# Altium PCB ProbadorDeCables.PcbDoc (continued)
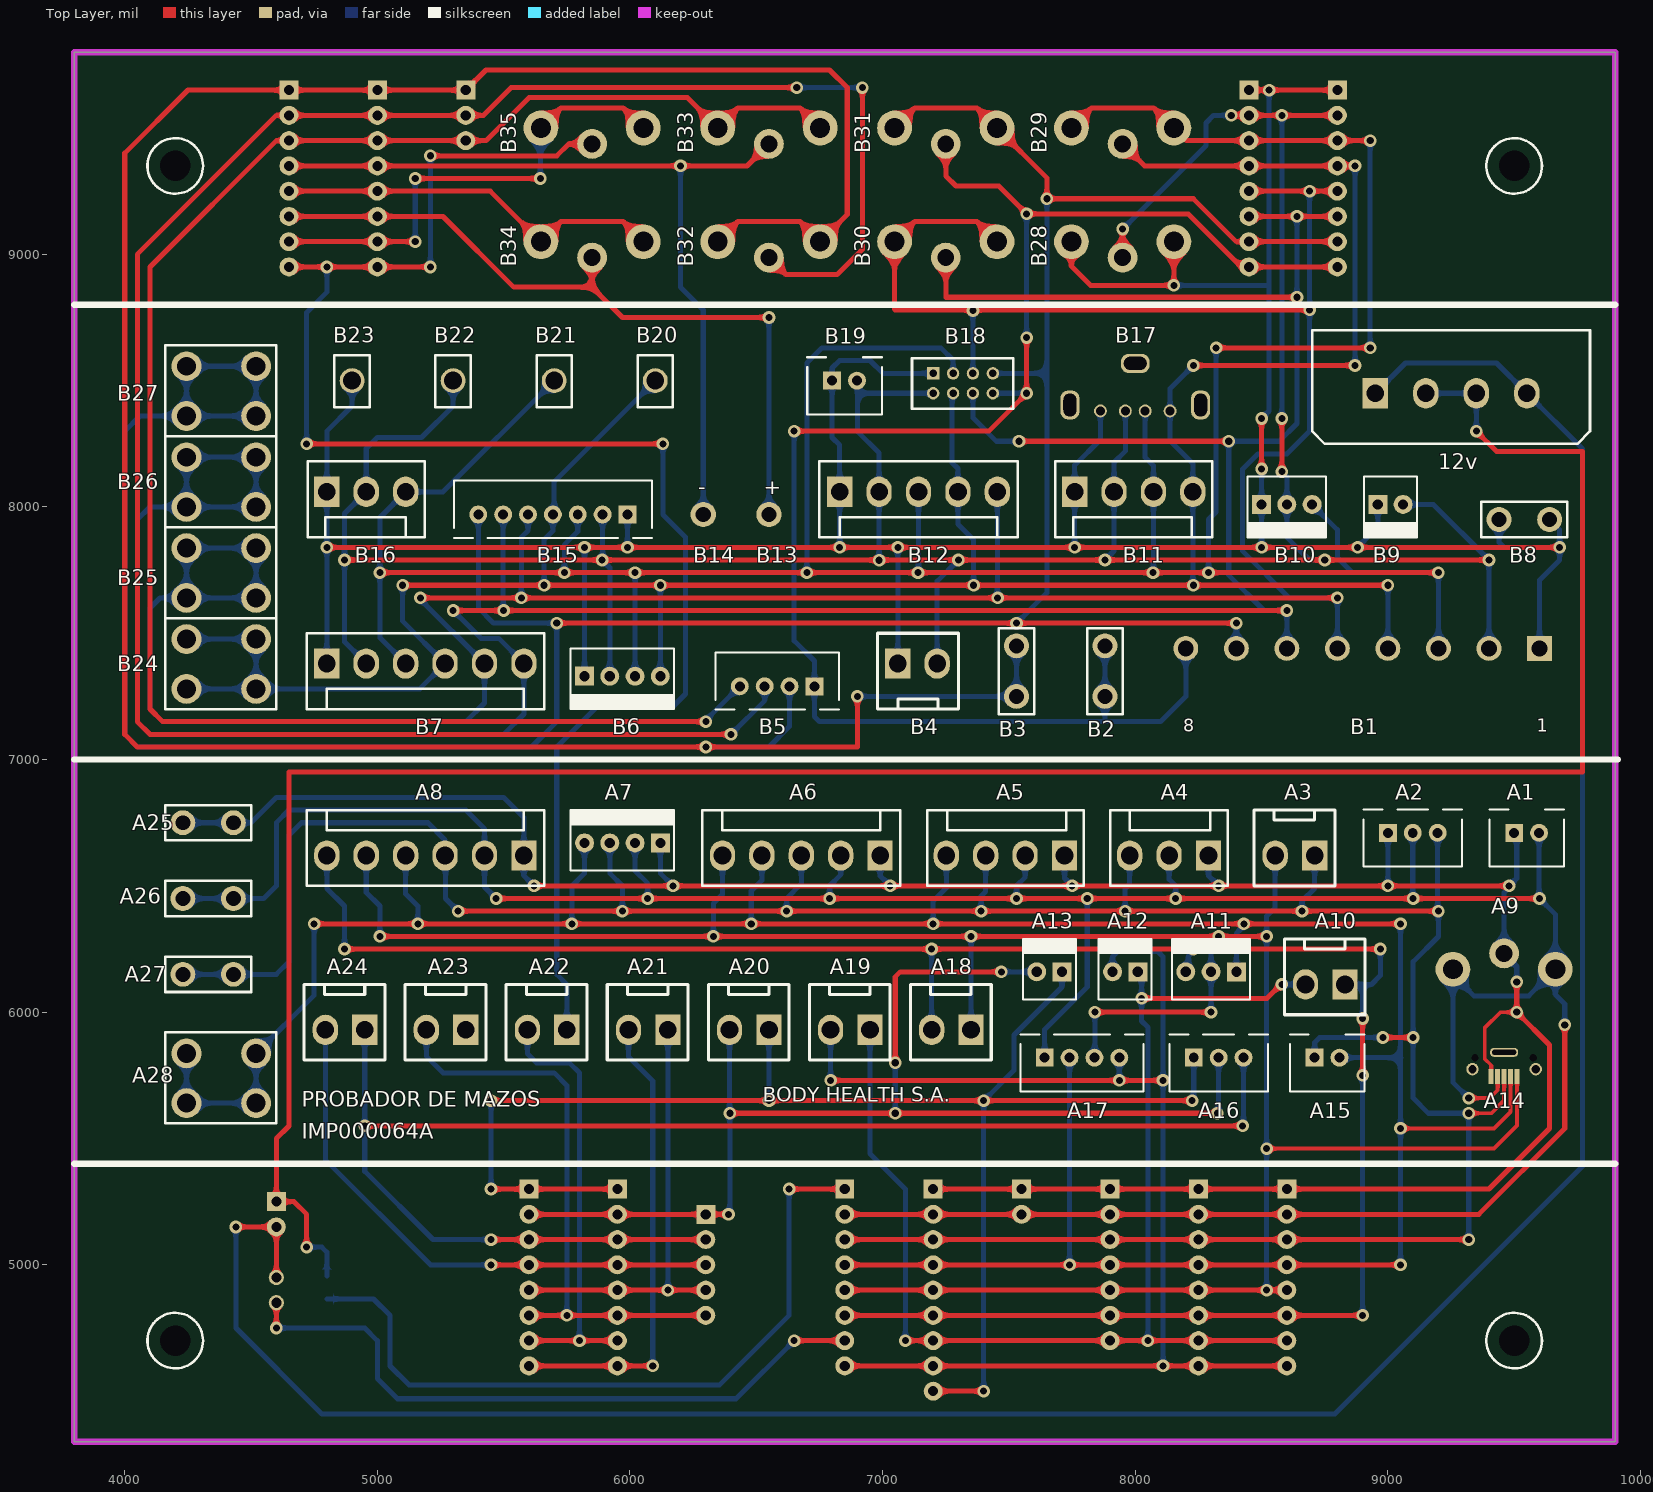
[diagram p0: Top Layer view]
## Components (designator, comment, footprint, x,y, rotation, side; value= is the part's Value field where it differs from the comment) (continued)
B28 "RCA mono para placa - Blanco" RCJ-023 7950,9050 r180 top
B29 "RCA mono para placa - Rojo" RCJ-022 7950,9500 r180 top
B30 "RCA mono para placa - Azul" RCJ-025 7250,9050 r180 top
B31 "RCA mono para placa - Negro" RCJ-021 7250,9500 r180 top
B32 "RCA mono para placa - Blanco" RCJ-023 6550,9050 r180 top
B33 "RCA mono para placa - Rojo" RCJ-022 6550,9500 r180 top
B34 "RCA mono para placa - Azul" RCJ-025 5850,9050 r180 top
B35 "RCA mono para placa - Negro" RCJ-021 5850,9500 r180 top
B50 "Interlock 3 vias gabinete" 640456-3 5350,9650 r270 bottom
B_Laser_1 "ProbadorB_1-8" 640456-8 8450,9650 r270 bottom
B_Laser_2 "ProbadorB_9-16" 640456-8 5000,9650 r270 bottom
B_Probador_1 "LaserB_1-8" 640456-8 8800,9650 r270 bottom
B_Probador_2 "LaserB_9-16" 640456-8 4650,9650 r270 bottom
Ld1 "PinesParaLed" Jumper-Simple 4600,4950 r270 bottom
R1 "330" R_0805 4800,4910 r270 bottom

## Footprints (in the part's own frame and the unit in brackets; to place one, negate y for a bottom-side part, rotate by r counter-clockwise, add the part's x,y. Pads: shape width x height; smd on the part's side, far side on the other; paste and mask are expansions set on the pad)
640445-2 [mil] "Con,0.156,2 vias recto"
  rect 100x120 hole 70: 1(0,0)
  oval 100x120 hole 70: 2(156,0)
  silkscreen extent -80,-180 240,120, body extent -78,-181 234,119, height 526
640445-3 [mil] "Conector - paso 156 - 3 vias - recto"
  rect 100x120 hole 70: 1(0,0)
  oval 100x120 hole 70: 2(156,0) 3(312,0)
  silkscreen extent -76,-180 388,120, body extent -78,-180 390,120, height 525
640445-4 [mil] "Conector - paso 156 - 4 vias - recto"
  rect 100x120 hole 70: 1(0,0)
  oval 100x120 hole 70: 2(156,0) 3(312,0) 4(468,0)
  silkscreen extent -76,-180 544,120, body extent -78,-179 546,121, height 526
640445-5 [mil] "Conector - paso 156 - 5 vias - recto"
  rect 100x120 hole 70: 1(0,0)
  oval 100x120 hole 70: 2(156,0) 3(312,0) 4(468,0) 5(624,0)
  silkscreen extent -80,-180 704,120, body extent -78,-180 702,121, height 526
640445-6 [mil] "Conector - paso 156 - 6 vias - recto"
  rect 100x120 hole 70: 1(0,0)
  oval 100x120 hole 70: 2(156,0) 3(312,0) 4(468,0) 5(624,0) 6(780,0)
  silkscreen extent -80,-180 860,120, body extent -78,-179 858,121, height 526
640456-2 [mil] "Paso 100 2 vias"
  rect 75x75 hole 40: 1(0,0)
  round 75 hole 40: 2(100,0)
  silkscreen extent -55,-130 155,110, body extent -50,-125 150,105, height 396
640456-3 [mil] "Paso 100 3 vias"
  rect 75x75 hole 40: 1(0,0)
  round 75 hole 40: 2(100,0) 3(200,0)
  silkscreen extent -55,-130 255,110, body extent -50,-125 250,105, height 396
640456-4 [mil] "Paso 100 4 vias"
  rect 75x75 hole 40: 1(0,0)
  round 75 hole 40: 2(100,0) 3(200,0) 4(300,0)
  silkscreen extent -55,-130 355,110, body extent -50,-125 350,105, height 396
640456-5 [mil] "Paso 100 5 vias"
  rect 75x75 hole 40: 1(0,0)
  round 75 hole 40: 2(100,0) 3(200,0) 4(300,0) 5(400,0)
  silkscreen extent -55,-130 460,110, body extent -50,-125 450,105, height 396
640456-7 [mil] "Paso 100 7 vias"
  rect 75x75 hole 40: 1(0,0)
  round 75 hole 40: 2(100,0) 3(200,0) 4(300,0) 5(400,0) 6(500,0) 7(600,0)
  silkscreen extent -55,-130 655,110, body extent -50,-125 650,105, height 396
640456-8 [mil] "Paso 100 8 vias"
  rect 75x75 hole 40: 1(0,0)
  round 75 hole 40: 2(100,0) 3(200,0) 4(300,0) 5(400,0) 6(500,0) 7(600,0) 8(700,0)
  silkscreen extent -55,-130 755,110, body extent -50,-125 750,105, height 396
640456-9 [mil] "Paso 100 9 vias"
  rect 75x75 hole 40: 1(0,0)
  round 75 hole 40: 2(100,0) 3(200,0) 4(300,0) 5(400,0) 6(500,0) 7(600,0) 8(700,0) 9(800,0)
  silkscreen extent -55,-130 855,110, body extent -50,-125 850,105, height 396
794285-1 [mil] "4 Position Header Connector 0.200\" (5.08mm) Through Hole Tin"
  oval 100x120 hole 70: 1(600,0) 2(400,0) 3(200,0)
  rect 100x120 hole 70: 4(0,0)
  silkscreen extent -250,-200 850,250, body extent -201,-163 799,217, height 472
B2B-XH-A [mm] "CONN HEADER XH TOP 2POS 2.5MM"
  rect 1.8x1.8 hole 1: 1(0,0)
  round 1.8 hole 1: 2(2.5,0)
  silkscreen extent -2.5,-3.4 5,2.35, body extent -2.47,-3.3 4.93,2.45, height 7
B3B-XH-A [mm] "CONN HEADER XH TOP 3POS 2.5MM"
  rect 1.8x1.8 hole 1: 1(0,0)
  round 1.8 hole 1: 2(2.5,0) 3(5,0)
  silkscreen extent -2.45,-3.4 7.45,2.35, body extent -2.45,-3.4 7.45,2.35, height 7
B4B-XH-A [mm] "CONN HEADER XH TOP 4POS 2.5MM"
  rect 1.8x1.8 hole 1: 1(0,0)
  round 1.8 hole 1: 2(2.5,0) 3(5,0) 4(7.5,0)
  silkscreen extent -2.45,-3.4 9.95,2.35, body extent -2.45,-3.4 9.95,2.35, height 7
B7B-XH-A [mm] "CONN HEADER XH TOP 7POS 2.5MM"
  rect 1.8x1.8 hole 1: 1(0,0)
  round 1.8 hole 1: 2(2.5,0) 3(5,0) 4(7.5,0) 5(10,0) 6(12.5,0) 7(15,0)
  silkscreen extent -2.45,-3.4 17.45,2.35, body extent -2.45,-3.38 17.49,2.38, height 7
"BORNERA CON TORNILLOS 8 VíAS" [mm] "TERMINAL BLOCK SCREW TYPE 5.08"
  rect 2.5x2.5 hole 1.6: 1(0,0)
  round 2.5 hole 1.6: 2(5.08,0) 3(10.16,0) 4(15.24,0) 5(20.32,0) 6(25.4,0) 7(30.48,0) 8(35.56,0)
  body extent -3.05,-6.25 38.09,6.25, height 15.5
DF11-8DP-2DSA(01) [mm] "Fuente MSP-300-15"
  rect 1.25x1.25 hole 0.75: 1(6,0)
  round 1.25 hole 0.75: 2(6,2) 3(4,0) 4(4,2) 5(2,0) 6(2,2) 7(0,0) 8(0,2)
  silkscreen extent -2.03,-1.52 8.13,3.56, body extent -2,-1.5 8,3.5, height 8.2
Jumper-Simple [mil] "Pines para jumper de 0.1\" de separación"
  round 60 hole 40: 1(0,0) 2(100,0)
  silkscreen extent -50,-50 150,50, body extent -49,-51 151,49, height 352
"PALA MACHO 2.7 PARA PLACA" [mm] "CONN QC TAB 0.110 SOLDER"
  round 2.5 hole 1.8: 1(0,0)
  Top Overlay keep-out lines w0.254: -1.778,-2.667 -1.778,2.54 1.778,2.54 1.778,-2.667 0.889,-2.667 -0.889,-2.667 -1.778,-2.667
  silkscreen extent -1.78,-2.67 1.78,2.54, body extent -0.32,-2.16 0.32,2.14, height 8.6
"Pala macho 4.8 para placa" [mm] "CONN QC TAB 0.187 SOLDER"
  round 2.5 hole 1.5: 1(0,2.54) 1(0,-2.54)
  Top Overlay keep-out lines w0.254: 1.778,4.318 -1.778,4.318 -1.778,-4.318 1.778,-4.318 1.778,4.318
  silkscreen extent -1.78,-4.32 1.78,4.32, body extent -0.42,-3.96 0.38,3.96, height 16.2
"PALA MACHO 6.3 PARA PLACA" [mm] "CONN QC TAB 0.250 SOLDER"
  round 2.5 hole 1.5: 1(0,2.54) 1(0,-2.54)
  Top Overlay keep-out lines w0.254: -1.778,4.318 -1.778,-4.318 1.778,-4.318 1.778,4.318 -1.778,4.318
  silkscreen extent -1.78,-4.32 1.78,4.32, body extent -0.42,-3.96 0.38,3.96, height 16.2
"PIN MACHO PARA CRIO" [mil] "CONN PC PIN CIRC 0.058DIA TIN"
  round 100 hole 60: 1(0,0)
  body extent -55,-55 55,55, height 202
R_0805 [mil] "Chip Resistor; Body 2.0 x 1.2 mm (LxW typ)"
  rect 56x50 smd: 1(45,0) 2(-45,0)
  silkscreen extent -60,-40 60,40, body extent -39,-25 39,25, height 18
RCJ-021 [mm] "CONN RCA JACK MONO 3.2MM PCB"
  round 3.5 hole 2: 1(-5.15,0) 1(5.15,0)
  round 3 hole 1.7: 2(0,1.6)
  body extent -6.48,-5 6.47,5, height 16.1
RCJ-022 [mm] "CONN RCA JACK MONO 3.2MM PCB"
  round 3.5 hole 2: 1(-5.15,0) 1(5.15,0)
  round 3 hole 1.7: 2(0,1.6)
  body extent -6.48,-5 6.47,5, height 16.1
RCJ-023 [mm] "CONN RCA JACK MONO 3.2MM PCB"
  round 3.5 hole 2: 1(-5.15,0) 1(5.15,0)
  round 3 hole 1.7: 2(0,1.6)
  body extent -6.48,-5 6.47,5, height 16.1
RCJ-025 [mm] "CONN RCA JACK MONO 3.2MM PCB"
  round 3.5 hole 2: 1(-5.15,0) 1(5.15,0)
  round 3 hole 1.7: 2(0,1.6)
  body extent -6.48,-5 6.47,5, height 16.1
"SCREW M4 4 PIN PCB" [mm] "TERM SCREW M4 4 PIN PCB"
  round 3 hole 1.9: 1(0,7) 1(0,0) 1(5,7) 1(5,0)
  Top Overlay keep-out lines w0.254: -2.032,9.144 -2.032,-2.032 7.112,-2.032 7.112,9.144 -2.032,9.144
  silkscreen extent -2.03,-2.03 7.11,9.14, body extent -1.42,-1.27 6.58,8.04, height 8.86
USB2.0_A [mm] "1050570001"
  round 1.3 hole 0.9 mask+0: 1(-3.5,0) 2(-1,0) 3(1,0) 4(3.5,0)
  rrect80% 1.9x2.9 hole 1.3 slot 2.3 at 90 deg: ""(-6.57,0.6) ""(6.57,0.6)
  rrect80% 2.9x1.9 hole 1.3 slot 2.3 at 0 deg: ""(0,4.78)
  body extent -7.39,-1.75 7.29,5.54, height 10.5
USB2.0_MicroB [mm] "USB3160-30-0170-0-C"
  rect 0.5x1.5 smd mask+0: 1(-1.3,-1.4) 2(-0.65,-1.4) 3(0,-1.4) 4(0.65,-1.4) 5(1.3,-1.4)
  round 1.25 hole 0.85 mask+0.05: ""(-3.18,-0.65) ""(3.18,-0.65)
  round 0 hole 0.75 mask+0.05: ""(-2.925,0.5) ""(2.925,0.5)
  rrect80% 2.8x0.9 hole 0.5 slot 2.4 at 0 deg: ""(0,1.05)
  body extent -3.72,-1.57 3.78,1.43, height 5.3

## Part data
12v: library part 794285-1, "CONN HDR 4POS 0.2 TIN PCB", Cod.DigiKey=794285-1-ND, Cod.Fabricante=794285-1, ComponentLink2Description=Datasheet, ComponentLink2URL=https://www.te.com/commerce/DocumentDelivery/DDEController?Action=srchrtrv&DocNm=794285&DocType=Customer+Drawing&DocLang=English, DIGIKEYx100=1.68330, Fabricante="TE Connectivity AMP Connectors"
A1 A15 B19: "CONN HEADER XH TOP 2POS 2.5MM", Cod.DigiKey=455-2247-ND, Cod.Fabricante=B2B-XH-A(LF)(SN), ComponentLink2Description=Datasheet, ComponentLink2URL=http://www.jst-mfg.com/product/pdf/eng/eXH.pdf, DIGIKEYx50=0.08980, Fabricante="JST Sales America Inc.", LatestRevisionDate=17-Jul-2002, LatestRevisionNote="Re-released for DXP Platform.", Publisher="Altium Limited"
A2 A16: "CONN HEADER XH TOP 3POS 2.5MM", Cod.DigiKey=455-2248-ND, Cod.Fabricante=B3B-XH-A(LF)(SN), ComponentLink2Description=Datasheet, ComponentLink2URL=http://www.jst-mfg.com/product/pdf/eng/eXH.pdf, DIGIKEYx50=0.11540, Fabricante="JST Sales America Inc.", LatestRevisionDate=17-Jul-2002, LatestRevisionNote="Re-released for DXP Platform.", Publisher="Altium Limited"
A3 A10 A18 A19 A20 A21 A22 A23 A24 B4: "CONN HEADER VERT 2POS .156 TIN", Cod.DigiKey=A1971-ND, Cod.Fabricante=640445-2, ComponentLink2Description=Datasheet, ComponentLink2URL=https://www.te.com/commerce/DocumentDelivery/DDEController?Action=srchrtrv&DocNm=640445&DocType=Customer+Drawing&DocLang=English, DIGIKEYx100=0.07960, Fabricante="TE Connectivity AMP Connectors"
A4 B16: "CONN HEADER VERT 3POS .156 TIN", Cod.DigiKey=A19890-ND, Cod.Fabricante=640445-3, ComponentLink2Description=Datasheet, ComponentLink2URL=https://www.te.com/commerce/DocumentDelivery/DDEController?Action=srchrtrv&DocNm=640445&DocType=Customer+Drawing&DocLang=English, DIGIKEYx100=0.13710, Fabricante="TE Connectivity AMP Connectors"
A5 B11: "CONN HEADER VERT 4POS .156 TIN", Cod.DigiKey=A1972-ND, Cod.Fabricante=640445-4, ComponentLink2Description=Datasheet, ComponentLink2URL=https://www.te.com/commerce/DocumentDelivery/DDEController?Action=srchrtrv&DocNm=640445&DocType=Customer+Drawing&DocLang=English, DIGIKEYx100=0.18210, Fabricante="TE Connectivity AMP Connectors"
A6 B12: "CONN HEADER VERT 5POS .156 TIN", Cod.DigiKey=A19891-ND, Cod.Fabricante=640445-5, ComponentLink2Description=Datasheet, ComponentLink2URL=https://www.te.com/commerce/DocumentDelivery/DDEController?Action=srchrtrv&DocNm=640445&DocType=Customer+Drawing&DocLang=English, DIGIKEYx100=0.23490, Fabricante="TE Connectivity AMP Connectors"
A7 B6: "CONN HEADER VERT 4POS .100 TIN", Cod.DigiKey=A1922-ND, Cod.Fabricante=640456-2, ComponentLink2Description=Datasheet, ComponentLink2URL=http://www.te.com/commerce/DocumentDelivery/DDEController?Action=srchrtrv&DocNm=640456&DocType=Customer+Drawing&DocLang=English, DIGIKEYx100=0.14850, Fabricante="TE Connectivity AMP Connectors", LatestRevisionDate=17-Jul-2002, LatestRevisionNote="Re-released for DXP Platform.", Publisher="Altium Limited"
A8 B7: "CONN HEADER VERT 6POS .156 TIN", Cod.DigiKey=A1973-ND, Cod.Fabricante=640445-6, ComponentLink2Description=Datasheet, ComponentLink2URL=https://www.te.com/commerce/DocumentDelivery/DDEController?Action=srchrtrv&DocNm=640445&DocType=Customer+Drawing&DocLang=English, DIGIKEYx100=0.28780, Fabricante="TE Connectivity AMP Connectors"
A9 B28 B29 B30 B31 B32 B33 B34 B35: "CONN RCA JACK MONO 3.2MM PCB", ComponentLink2Description=Datasheet, ComponentLink2URL=https://www.cuidevices.com/product/resource/digikeypdf/rcj-02x.pdf, DIGIKEYx100=0.66880, Fabricante="CUI Devices"
  A9 B31 B35: Cod.DigiKey=CP-1406-ND, Cod.Fabricante=RCJ-021
  B28 B32: Cod.DigiKey=CP-1408-ND, Cod.Fabricante=RCJ-023
  B29 B33: Cod.DigiKey=CP-1407-ND, Cod.Fabricante=RCJ-022
  B30 B34: Cod.DigiKey=CP-1410-ND, Cod.Fabricante=RCJ-025
A11 B10: "CONN HEADER VERT 3POS .100 TIN", Cod.DigiKey=A19470-ND, Cod.Fabricante=640456-3, ComponentLink2Description=Datasheet, ComponentLink2URL=http://www.te.com/commerce/DocumentDelivery/DDEController?Action=srchrtrv&DocNm=640456&DocType=Customer+Drawing&DocLang=English, DIGIKEYx100=0.08910, Fabricante="TE Connectivity AMP Connectors", LatestRevisionDate=17-Jul-2002, LatestRevisionNote="Re-released for DXP Platform.", Publisher="Altium Limited"
A12 A13 B9: "CONN HEADER VERT 2POS .100 TIN", Cod.DigiKey=A1921-ND, Cod.Fabricante=640456-2, ComponentLink2Description=Datasheet, ComponentLink2URL=http://www.te.com/commerce/DocumentDelivery/DDEController?Action=srchrtrv&DocNm=640456&DocType=Customer+Drawing&DocLang=English, DIGIKEYx100=0.06630, Fabricante="TE Connectivity AMP Connectors", LatestRevisionDate=17-Jul-2002, LatestRevisionNote="Re-released for DXP Platform.", Publisher="Altium Limited"
A14: "CONN RCPT USB2.0 MICRO B SMD R/A", Cod.DigiKey=2073-USB3160-30-0170-0-CCT-ND, Cod.Fabricante=USB3160-30-0170-0-C, ComponentLink2Description=Datasheet, ComponentLink2URL=https://gct.co/files/drawings/usb3160.pdf, DIGIKEYx100=0.57750, Fabricante=GCT
A17 B5: "CONN HEADER XH TOP 4POS 2.5MM", Cod.DigiKey=455-2249-ND, Cod.Fabricante=B4B-XH-A(LF)(SN), ComponentLink2Description=Datasheet, ComponentLink2URL=http://www.jst-mfg.com/product/pdf/eng/eXH.pdf, DIGIKEYx100=0.13480, Fabricante="JST Sales America Inc.", LatestRevisionDate=17-Jul-2002, LatestRevisionNote="Re-released for DXP Platform.", Publisher="Altium Limited"
A25 A26 A27 B8: "CONN QC TAB 0.250 SOLDER", Cod.DigiKey=A110909CT-ND, Cod.Fabricante=1217125-1, ComponentLink1Description="Manufacturer Link", ComponentLink1URL=https://www.te.com/commerce/DocumentDelivery/DDEController?Action=srchrtrv&DocNm=1217125&DocType=Customer+Drawing&DocLang=English, DIGIKEYx100=0.17180, Fabricante="TE Connectivity AMP Connectors"
A28 B24 B25 B26 B27: "TERM SCREW M4 4 PIN PCB", Cod.DigiKey=36-7795-ND, Cod.Fabricante=7795, ComponentLink2Description=Datasheet, ComponentLink2URL=http://keyelco.com/userAssets/file/M65p69.pdf, DIGIKEYx100=0.38960, Fabricante="Keystone Electronics"
A29 A_Laser_1 A_Laser_2 A_Probador_1 A_Probador_2 B_Laser_1 B_Laser_2 B_Probador_1 B_Probador_2: library part Para_CST_100__640456-8, "CONN HEADER VERT 8POS .100 TIN", Cod.DigiKey=A1924-ND, Cod.Fabricante=640456-8, ComponentLink2Description=Datasheet, ComponentLink2URL=http://www.te.com/commerce/DocumentDelivery/DDEController?Action=srchrtrv&DocNm=640456&DocType=Customer+Drawing&DocLang=English, DIGIKEYx100=0.29070, Fabricante="TE Connectivity AMP Connectors"
  A29: LatestRevisionDate=17-Jul-2002, LatestRevisionNote="Re-released for DXP Platform.", Publisher="Altium Limited"
A30: library part Para_CST_100__640456-7, "CONN HEADER VERT 7POS .100 TIN", Cod.DigiKey=A19472-ND, Cod.Fabricante=640456-7, ComponentLink2Description=Datasheet, ComponentLink2URL=http://www.te.com/commerce/DocumentDelivery/DDEController?Action=srchrtrv&DocNm=640456&DocType=Customer+Drawing&DocLang=English, DIGIKEYx100=0.27260, Fabricante="TE Connectivity AMP Connectors", LatestRevisionDate=17-Jul-2002, LatestRevisionNote="Re-released for DXP Platform.", Publisher="Altium Limited"
A31: library part Para_CST_100__640456-9, "CONN HEADER VERT 9POS .100 TIN", Cod.DigiKey=A19473-ND, Cod.Fabricante=640456-9, ComponentLink2Description=Datasheet, ComponentLink2URL=http://www.te.com/commerce/DocumentDelivery/DDEController?Action=srchrtrv&DocNm=640456&DocType=Customer+Drawing&DocLang=English, DIGIKEYx100=0.41390, Fabricante="TE Connectivity AMP Connectors", LatestRevisionDate=17-Jul-2002, LatestRevisionNote="Re-released for DXP Platform.", Publisher="Altium Limited"
A32: library part Para_CST_100__640456-5, "CONN HEADER VERT 5POS .100 TIN", Cod.DigiKey=A19471-ND, Cod.Fabricante=640456-5, ComponentLink2Description=Datasheet, ComponentLink2URL=http://www.te.com/commerce/DocumentDelivery/DDEController?Action=srchrtrv&DocNm=640456&DocType=Customer+Drawing&DocLang=English, DIGIKEYx100=0.20780, Fabricante="TE Connectivity AMP Connectors", LatestRevisionDate=17-Jul-2002, LatestRevisionNote="Re-released for DXP Platform.", Publisher="Altium Limited"
A33 A35: library part Para_CST_100__640456-2, "CONN HEADER VERT 2POS .100 TIN", Cod.DigiKey=A1921-ND, Cod.Fabricante=640456-2, ComponentLink2Description=Datasheet, ComponentLink2URL=http://www.te.com/commerce/DocumentDelivery/DDEController?Action=srchrtrv&DocNm=640456&DocType=Customer+Drawing&DocLang=English, DIGIKEYx100=0.06630, Fabricante="TE Connectivity AMP Connectors", LatestRevisionDate=17-Jul-2002, LatestRevisionNote="Re-released for DXP Platform.", Publisher="Altium Limited"
B1: "TERMINAL BLOCK SCREW TYPE 5.08", Cod.DigiKey=102-6216-ND, Cod.Fabricante=TB008A-508-08BE, ComponentLink2Description=Datasheet, ComponentLink2URL=https://www.cuidevices.com/product/resource/digikeypdf/tb008a-508.pdf, DIGIKEYx100=1.03600, Fabricante="CUI Devices"
B2 B3: "CONN QC TAB 0.187 SOLDER", Cod.DigiKey=A110908CT-ND, Cod.Fabricante=1217124-1, ComponentLink1Description="Manufacturer Link", ComponentLink1URL=https://www.te.com/commerce/DocumentDelivery/DDEController?Action=srchrtrv&DocNm=1217124&DocType=Customer+Drawing&DocLang=English, DIGIKEYx100=0.13260, Fabricante="TE Connectivity AMP Connectors"
B13 B14: library part "Pin macho para crio", "CONN PC PIN CIRC 0.058DIA TIN", Cod.DigiKey=3-60599-1-ND, Cod.Fabricante=3-60599-1, ComponentLink1Description="Manufacturer Link", ComponentLink1URL=http://www.keyelco.com/product-pdf.cfm?p=1054, DIGIKEYx50=0.74940, DIGIKEYx100=0.71680, Fabricante="TE Connectivity AMP Connectors"
B15: "CONN HEADER XH TOP 7POS 2.5MM", Cod.DigiKey=455-2252-ND, Cod.Fabricante=B7B-XH-A(LF)(SN), ComponentLink2Description=Datasheet, ComponentLink2URL=http://www.jst-mfg.com/product/pdf/eng/eXH.pdf, DIGIKEYx100=0.2156, Fabricante="JST Sales America Inc.", LatestRevisionDate=17-Jul-2002, LatestRevisionNote="Re-released for DXP Platform.", Publisher="Altium Limited"
B17: "CONN RCPT USB2.0 TYPEA 4POS VERT", Cod.DigiKey=WM8672-ND, Cod.Fabricante=1050570001, ComponentLink2Description=Datasheet, ComponentLink2URL=https://www.molex.com/pdm_docs/sd/1050570001_sd.pdf, DIGIKEYx100=0.69030, Fabricante=Molex
B18: library part DF11-8DP-2DSA(01), "CONN HEADER VERT 8POS 2MM", Cod.DigiKey=H2852-ND, Cod.Fabricante=DF11-8DP-2DSA(01), ComponentLink2Description=Datasheet, ComponentLink2URL=https://www.hirose.com/product/download/?distributor=digikey&type=specSheet&lang=en&num=DF11-8DP-2DSA(01), DIGIKEYx100=0.72600, Fabricante="Hirose Electric Co Ltd", LatestRevisionDate=17-Jul-2002, LatestRevisionNote="Re-released for DXP Platform.", Publisher="Altium Limited"
B20 B21 B22 B23: "CONN QC TAB 0.110 SOLDER", Cod.DigiKey=A107001-ND, Cod.Fabricante=735187-2, ComponentLink1Description="Manufacturer Link", ComponentLink1URL=https://www.te.com/commerce/DocumentDelivery/DDEController?Action=srchrtrv&DocNm=735187&DocType=Customer+Drawing&DocLang=English, DIGIKEYx100=0.11110, Fabricante="TE Connectivity AMP Connectors"
B50: library part Para_CST_100__640456-3, "CONN HEADER VERT 3POS .100 TIN", Cod.DigiKey=A19470-ND, Cod.Fabricante=640456-3, ComponentLink2Description=Datasheet, ComponentLink2URL=http://www.te.com/commerce/DocumentDelivery/DDEController?Action=srchrtrv&DocNm=640456&DocType=Customer+Drawing&DocLang=English, DIGIKEYx100=0.08910, Fabricante="TE Connectivity AMP Connectors", LatestRevisionDate=17-Jul-2002, LatestRevisionNote="Re-released for DXP Platform.", Publisher="Altium Limited"
Ld1: "CONN HEADER 2 POS 2.54", Cod.DigiKey=732-5315-ND, Cod.Fabricante=61300211121, ComponentLink1Description="Manufacturer Link", ComponentLink1URL=https://katalog.we-online.de/em/datasheet/6130xx11121.pdf, ComponentLink2Description=Datasheet, DIGIKEYx100=0.06700, Fabricante="Wurth Electronics Inc.", Published=29-sep-00, Publisher="Altium Limited"
R1: library part R_330_0805, "RES SMD 330 OHM 1% 1/8W 0805", Cod.DigiKey=311-330CRCT-ND, Cod.Fabricante=RC0805FR-07330RL, DIGIKEYx100=0.01630, Fabricante=Yageo, LatestRevisionDate=17-Jul-2002, LatestRevisionNote="Re-released for DXP Platform.", PackageReference=0805, Published=8-Jun-2000, Publisher="Altium Limited"

## Free pads (board coordinates)
  round 0 hole 120: ""(4200,4700) ""(4200,9350) ""(9500,4700) ""(9500,9350)

## Via types
v1: diameter 50, hole 28, Top Layer to Bottom Layer, tented both sides, 171 vias
v2: diameter 50, hole 28, Top Layer to Bottom Layer, 2 vias

## Nets (pads, with @x,y where several pads share a name; then routed paths per layer and width w, separated by ;. In a path a pad name is that pad's centre, name@x,y a point inside that pad or via, vN(x,y) a via of type N, cw(c..) or ccw(c..) an arc to the next point about the centre after c; other vN are vias at no path point)
12V: 12v.1 12v.4 A33.2 Ld1.1 | length 10487.3
  Top Layer w20: v1(4440,5150) A33.2 Ld1.1
  Bottom Layer w20: v1(4440,5150) 4440,4750 4780,4410 8790,4410 9770,5390 9770,8230 12v.1 9430,8570 9070,8570 12v.4
CORTO1: A29.1 R1.1 | length 2921.9
  Top Layer w20: v1(6630,5300) A29.1
  Bottom Layer w20: R1.1 4985,4865 5050,4800 5050,4600 5125,4525 6355,4525 6630,4800 v1(6630,5300)
CORTO2: A29.7 Ld1.2 | length 2663.3
  Top Layer w20: v1(4600,4750) Ld1.2@4600,4840 ; Ld1.2 Ld1.2@4600,4840 ; Ld1.2@4610,4850 Ld1.2@4600,4840 ; v1(6650,4700) A29.7
  Bottom Layer w20: v1(4600,4750) 4950,4750 5000,4700 5000,4550 5080,4470 6420,4470 v1(6650,4700)
GND: 12v.2 12v.3 A33.1 R1.2 | length 9367.8
  Top Layer w20: v1(4720,5070) 4720,5200 4670,5250 A33.1 4600,5500 4650,5550 4650,6950 9770,6950 9770,8220 9430,8220 v1(9350,8300)
  Bottom Layer w20: v1(4720,5070) 4780,5070 4800,5050 R1.2 ; 12v.3 12v.2 v1(9350,8300)
X1: A1.1 A2.1 A4.1 A5.1 A6.1 A7.1 A8.1 A9.2 A14.1 A25.1 A30.1 A31.1 A35.1 A_Laser_1.1 A_Probador_1.1 | length 10545
  Top Layer w15: A14.1 9408.82,5790.18 9383,5816 9383,5937 9446,6000 v2(9510,6000)
  Top Layer w20: v1(5620,6500) v1(6170,6500) v1(7030,6500) v1(7750,6500) v1(8330,6500) v1(9000,6500) v1(9480,6500) ; A31.1 A35.1 A30.1 A_Probador_1.1 A_Laser_1.1 9400,5300 9640,5540 9640,5870 v2(9510,6000) v2(9510,6120)
  Bottom Layer w20: A25.1@4230,6750 4430,6750 4500,6750 4600,6850 5500,6850 5580,6770 A8.1 5580,6540 v1(5620,6500) ; A7.1 6120,6550 v1(6170,6500) ; A6.1 6990,6540 v1(7030,6500) ; A5.1 7720,6530 v1(7750,6500) ; A4.1 8290,6540 v1(8330,6500) ; v1@8990,6500 v1(9000,6500) ; v1@9000,6510 A2.1 ; A1.1 9510,6700 9510,6530 v1(9480,6500) 9480,6493.28 9460,6473.28 A9.2 ccw(c9467.22,6232.99) 9462.11,6227.89 9510,6180 v2(9510,6120) ; v2(9510,6000) cw(c9507.15,5997.15) v2@9511.18,5997.15
X2: A1.2 A2.2 A4.2 A5.2 A6.2 A7.2 A8.2 A9.1 A14.2 A17.1 A26.1 A29.2 A30.2 A31.2 A35.2 A_Laser_1.2 A_Probador_1.2 | length 13145.3
  Top Layer w15: v1(9320,5660) 9403,5660 9434.41,5691.41 A14.2
  Top Layer w20: v1(5470,6450) v1(6070,6450) v1(6790,6450) v1(7530,6450) v1(7810,6450) v1(8160,6450) v1(9100,6450) v1(9600,6450) ; A29.2 A31.2 A35.2 A30.2 A_Probador_1.2 A_Laser_1.2 9360,5200 9700,5540 v1(9700,5950)
  Bottom Layer w20: A26.1@4230,6450 4430,6450 4550,6450 4600,6500 4600,6750 4650,6800 5350,6800 5424,6726 A8.2 ; A8.2@5430,6614 5424,6608 5424,6496 v1(5470,6450) ; A7.2 6020,6560 6070,6510 v1(6070,6450) ; v1(6790,6450) 6790,6500 6834,6544 A6.2 ; v1(7530,6450) 7530,6500 7564,6534 A5.2 ; A17.1 7641.57,5931.57 7810,6100 v1(7810,6450) ; A4.2 8134,6526 8160,6500 v1(8160,6450) ; v1@9098.43,6451.57 A2.2 ; A9.1@9257.24,6170 A9.1@9257.24,6147.76 ; v1(9320,5660) 9257.24,5722.76 A9.1@9257.24,6147.76 ; A1.2 9598.43,6451.57 9662.76,6387.24 A9.1@9662.76,6170 ; v1(9700,5950) 9700,6032.76 9662.76,6070 A9.1@9662.76,6170 ; A9.1@9700,6132.76 A9.1@9662.76,6170 ; A9.1@9257.24,6147.76 9340,6065 9557.76,6065 A9.1@9662.76,6170
X3: A2.3 A3.1 A4.3 A5.3 A6.3 A7.3 A8.3 A14.3 A15.1 A27.1 A29.3 A30.3 A31.3 A_Laser_1.3 A_Probador_1.3 | length 12035.7
  Top Layer w15: v1(9320,5600) 9410,5600 9460,5650 A14.3
  Top Layer w20: v1(5320,6400) v1(5970,6400) v1(6620,6400) v1(7390,6400) v1(7960,6400) v1(8660,6400) v1(9200,6400) ; A29.3 A31.3 A_Probador_1.3 A_Laser_1.3 v1(9320,5100) ; v1(8980,5900) v1(9100,5900)
  Bottom Layer w20: A27.1@4230,6150 4430,6150 4600,6150 4650,6200 4650,6700 4700,6750 5200,6750 5268,6682 A8.3 ; A8.3@5270,6618 5270,6450 v1(5320,6400) ; A7.3 5920,6550 5970,6500 v1(5970,6400) ; v1(6620,6400) 6620,6450 6678,6508 A6.3 ; v1(7390,6400) 7390,6460 7408,6478 A5.3 ; v1(7960,6400) 7960,6490 7978,6508 A4.3 ; v1(8660,6400) 8660,6440 8710,6490 A3.1 ; A15.1 8710,5880 8730,5900 v1(8980,5900) ; v1@9196.85,6403.15 A2.3 ; v1(9200,6400) 9200,6300 9100,6200 v1(9100,5900) 9100,5660 9160,5600 v1(9320,5600) v1(9320,5100)
X4: A5.4 A6.4 A7.4 A8.4 A11.1 A14.4 A15.2 A17.2 A28.1 A29.4 A30.4 A31.4 A_Laser_1.4 A_Probador_1.4 | length 12203.3
  Top Layer w15: v1(9050,5540) 9420,5540 9485.59,5605.59 A14.4
  Top Layer w20: v1(4750,6350) v1(5160,6350) v1(5770,6350) v1(6480,6350) v1(7200,6350) v1(8430,6350) v1(9050,6350) ; A29.4 A31.4 v1(7740,5000) A30.4 A_Probador_1.4 A_Laser_1.4 v1(9050,5000)
  Bottom Layer w20: A28.1@4244.41,5836.85 4244.41,5640 4520,5640 4520,5836.85 4750,6066.85 v1(4750,6350) ; A8.4 5112,6468 5160,6420 v1(5160,6350) ; v1(5770,6350) 5770,6500 5820,6550 A7.4 ; v1(6480,6350) 6480,6480 6522,6522 A6.4 ; v1(7200,6350) 7200,6440 7252,6492 A5.4 ; v1(7740,5000) A17.2 ; A11.1 8400,6311.88 8430,6341.88 v1(8430,6350) ; A15.2 9050,5820 ; v1(9050,5000) v1(9050,5540) 9050,5820 ; v1(9050,6350) 9050,5820
X5: A3.2 A6.5 A8.5 A11.2 A14.5 A17.3 A18.1 A29.5 A30.5 A31.5 A_Laser_1.5 A_Probador_1.5 | length 10216.9
  Top Layer w15: v1(8520,5460) 9420,5460 9511.18,5551.18 A14.5
  Top Layer w20: v1(5010,6300) 6190,6300 v1(6330,6300) v1(7350,6300) v1(8330,6300) v1(8520,6300) ; A29.5 A31.5 A30.5 A_Probador_1.5 v1(8520,4900) A_Laser_1.5 ; v1(7840,6000) v1(8300,6000)
  Bottom Layer w20: A8.5 4956,6474 5010,6420 v1(5010,6300) ; v1(6330,6300) 6330,6430 6366,6466 A6.5 ; A18.1 v1(7350,6300) ; A17.3 ccw(c7834.62,5823.8) 7840,5823.8 v1(7840,6000) ; v1(8300,6000) A11.2 8300,6261.88 8330,6291.88 v1(8330,6300) ; v1(8520,4900) v1(8520,5460) v1(8520,6300) 8520,6380 8554,6414 A3.2
X6: A8.6 A10.1 A11.3 A18.2 A29.6 A30.6 A31.6 A_Laser_1.6 A_Probador_1.6 | length 8790.9
  Top Layer w20: v1(4870,6250) 6050,6250 v1(7194,6250) v1(8230,6250) v1(8970,6250) ; A29.6 A31.6 8500,4800 ; A_Probador_1.6 8500,4800 ; v1(8900,4800) A_Laser_1.6 8500,4800 ; v1(8900,5750) v1(8900,5975)
  Bottom Layer w20: A8.6 4800,6490 4870,6420 v1(4870,6250) ; A18.2 v1(7194,6250) ; A11.3 8210.52,6170.52 8210.52,6222.41 8230,6241.88 v1(8230,6250) ; A10.1 8900,6110 ; v1(8900,4800) v1(8900,5750) ; v1(8900,5975) 8900,6110 ; v1(8970,6250) 8970,6145 8935,6110 8900,6110
X7: A10.2 A12.1 A19.1 A30.7 A31.7 A_Laser_1.7 A_Probador_1.7 | length 4944.1
  Top Layer w20: v1(7090,4700) A31.7 A30.7 v1(8050,4700) A_Probador_1.7 A_Laser_1.7 ; v1(8025,6055) 8521.39,6055 8576.39,6110 v1(8580,6110)
  Bottom Layer w20: A19.1 6950,5440 7090,5300 v1(7090,4700) ; A12.1 cw(c7973.79,6123.79) 8025,6123.79 8025,5965 8050,5940 v1(8050,4700) ; v1(8580,6110) A10.2
X8: A12.2 A17.4 A19.2 A29.8 A31.8 A_Laser_1.8 A_Probador_1.8 | length 5252.6
  Top Layer w20: v1(6794,5730) v1(7937,5730) v1(8110,5730) ; A29.8 A31.8 v1(8110,4600) A_Probador_1.8 A_Laser_1.8
  Bottom Layer w20: v1(6794,5730) A19.2 ; A12.2 7910,6220 7930,6240 8090,6240 8110,6220 v1(8110,5730) v1(8110,4600) ; A17.4 7936.85,5730.15 v1(7937,5730)
X9: A13.1 A16.1 A20.1 A31.9 A_Laser_2.1 A_Probador_2.1 | length 6065.2
  Top Layer w20: v1(5450,5300) A_Probador_2.1 A_Laser_2.1 ; v1(5450,5650) v1(6550,5650) v1(7400,5650) v1(8225,5650) ; A31.9 v1(7400,4500)
  Bottom Layer w20: v1(5450,5300) v1(5450,5650) ; v1(6550,5650) A20.1 ; v1(7400,4500) v1(7400,5650) 7520,5770 7520,5910 7710,6100 A13.1 ; v1(8225,5650) ccw(c8209.13,5665.87) 8231.57,5665.87 A16.1
X10: A13.2 A16.2 A20.2 A32.1 A_Laser_2.2 A_Probador_2.2 | length 4782.1
  Top Layer w20: A_Probador_2.2 A_Laser_2.2 A32.1 v1(6390,5200) ; v1(6395,5600) v1(7050,5600) v1(8325,5600) ; v1(7050,5800) 7050,6140 7070,6160 v1(7470,6160)
  Bottom Layer w20: v1(6390,5200) 6395,5205 v1(6395,5600) 6395,5605 6394,5606 A20.2 ; v1(7050,5600) v1(7050,5800) ; v1(7470,6160) A13.2 ; v1(8325,5600) ccw(c8312.93,5612.07) 8330,5612.07 A16.2
X11: A16.3 A24.1 A32.2 A_Laser_2.3 A_Probador_2.3 | length 5767.8
  Top Layer w20: v1(4950,5550) v1(8425,5550) ; v1(5450,5100) A_Probador_2.3 A_Laser_2.3 A32.2
  Bottom Layer w20: A24.1 v1(4950,5550) 4950,5370 5220,5100 v1(5450,5100) ; v1(8425,5550) ccw(c8416.73,5558.27) 8428.43,5558.27 A16.3
X12: A24.2 A32.3 A_Laser_2.4 A_Probador_2.4 | length 2192.3
  Top Layer w20: v1(5450,5000) A_Probador_2.4 A_Laser_2.4 A32.3
  Bottom Layer w20: A24.2 4794,5416 5210,5000 v1(5450,5000)
X13: A21.1 A32.4 A_Laser_2.5 A_Probador_2.5 | length 1730
  Top Layer w20: A_Probador_2.5 A_Laser_2.5 v1(6150,4900) A32.4
  Bottom Layer w20: v1(6150,4900) A21.1
X14: A23.2 A32.5 A_Laser_2.6 A_Probador_2.6 | length 2318
  Top Layer w20: A_Probador_2.6 v1(5750,4800) A_Laser_2.6 A32.5
  Bottom Layer w20: A23.2 5194,5826 5260,5760 5700,5760 5750,5710 v1(5750,4800)
X15: A22.2 A_Laser_2.7 A_Probador_2.7 | length 1741.5
  Top Layer w20: A_Probador_2.7 v1(5800,4700) A_Laser_2.7
  Bottom Layer w20: A22.2 5594,5836 5630,5800 5760,5800 5800,5760 v1(5800,4700)
X16: A21.2 A_Laser_2.8 A_Probador_2.8 | length 1859.8
  Top Layer w20: A_Probador_2.8 A_Laser_2.8 v1(6090,4600)
  Bottom Layer w20: A21.2 5994,5824 6090,5728 v1(6090,4600)
Y1: B1.1 B4.1 B6.1 B7.1 B8.1 B9.1 B10.1 B11.1 B12.1 B15.1 B16.1 B17.1 B18.1 B19.1 B23.1 B28.1 B_Laser_1.1 B_Probador_1.1 | length 13240
  Top Layer w20: v1(4800,7840) v1(5820,7840) v1(5990,7840) v1(6830,7840) v1(7060,7840) v1(7760,7840) v1(8500,7840) v1(8880,7840) v1(9680,7840) ; B28.1@7747.24,9050 7747.24,8952.76 7822.76,8877.24 v1(8152.76,8877.24) B28.1@8152.76,9050 ; B_Laser_1.1 v1(8530,9650) B_Probador_1.1 ; v1(8500,8150) v1(8500,8350)
  Bottom Layer w20: B7.1 v1(4800,7840) B16.1 4800,8300 4900,8400 B23.1 ; B6.1 v1(5820,7840) ; v1(5990,7840) B15.1 ; v1(6830,7840) B12.1 6830,8245 6800,8275 B19.1 6800,8550 6830,8580 6950,8580 7001.26,8528.74 B18.1 B18.1@7196.26,8525 ; B4.1 v1(7060,7840) ; v1(7760,7840) B11.1 7760,8165 7862.2,8267.2 B17.1 ; v1(8152.76,8877.24) 8527.24,8877.24 ; v1(8500,7840) B10.1 v1(8500,8150) ; v1(8500,8350) 8530,8380 v1(8530,9650) ; v1(8880,7840) 8960,7920 B9.1 ; B8.1@9440,7950 9440,7860 9460,7840 v1(9680,7840) ; B1.1 9600,7710 9680,7790 v1(9680,7840) ; B8.1@9640,7950 9680,7910 v1(9680,7840)
Y2: B1.2 B4.2 B6.2 B7.2 B9.2 B10.2 B11.2 B12.2 B15.2 B16.2 B17.2 B18.2 B19.2 B22.1 B28.2 B_Laser_1.2 B_Probador_1.2 | length 12583.6
  Top Layer w20: v1(4870,7790) v1(5890,7790) v1(7880,7790) v1(9400,7790) ; B28.2 v1(7950,9100) ; v1(8380,9550) B_Laser_1.2 v1(8580,9550) B_Probador_1.2 ; v1(8580,8140) v1(8580,8350)
  Bottom Layer w20: B7.2 4870,7466 v1(4870,7790) 4870,7974 B16.2 4956,8231 5000,8275 5175,8275 5300,8400 B22.1 ; B15.2 5891.57,7791.57 v1(5890,7790) 5920,7760 B6.2 ; B19.2 6900,8498.43 6900,8450 ; v1(6986,7789) B12.2 6986,8214 6900,8300 6900,8450 ; B18.2 6900,8450 ; B4.2 7216,7706 v1(7300,7790) ; v1(7880,7790) 7916,7826 B11.2 7916,8176 7960.63,8220.63 B17.2 ; v1(7950,9100) 8280,9430 8280,9520 8310,9550 v1(8380,9550) ; v1(8580,8140) 8600,8120 B10.2 8600,7880 8690,7790 v1(8750,7790) ; v1(8580,8350) v1(8580,9550) ; B9.2 9180,8010 v1(9400,7790) B1.2
Y3: B1.3 B6.3 B7.3 B10.3 B11.3 B12.3 B15.3 B16.3 B17.3 B18.3 B21.1 B29.1 B_Laser_1.3 B_Probador_1.3 | length 13446.7
  Top Layer w20: v1(5010,7740) v1(5740,7740) v1(6020,7740) v1(6700,7740) v1(7140,7740) v1(8070,7740) v1(8290,7740) v1(9200,7740) ; B29.1@7747.24,9500 7827.24,9580 8072.76,9580 8152.76,9500 8202.76,9450 B_Laser_1.3 B_Probador_1.3 v1(8930,9450) ; v1(8320,8630) v1(8930,8630)
  Bottom Layer w20: B7.3 5010,7482 v1(5010,7740) 5010,7958 B16.3 5260,8060 B21.1 ; v1(5740,7740) 5740,7850 5793.15,7903.15 B15.3 ; B6.3 v1(6020,7740) ; v1(6700,7740) 6700,8570 6760,8630 7230,8630 7278.74,8581.26 B18.3 ; v1(7140,7740) 7142,7742 B12.3 ; B17.3 8039.37,8195.63 8072,8163 B11.3 8072,7742 v1(8070,7740) ; v1(8290,7740) 8290,7950 8320,7980 v1(8320,8630) ; B10.3 8800,7910 8800,7800 8860,7740 v1(9200,7740) B1.3 ; v1(8930,8630) v1(8930,9450)
Y4: B1.4 B6.4 B7.4 B11.4 B12.4 B15.4 B17.4 B18.4 B20.1 B24.1 B29.2 B_Laser_1.4 B_Probador_1.4 | length 11548.5
  Top Layer w20: v1(5100,7690) v1(5660,7690) v1(6120,7690) v1(7360,7690) v1(8230,7690) v1(9000,7690) ; B29.2 8037.01,9350 B_Laser_1.4 B_Probador_1.4 v1(8870,9350) ; v1(8230,8560) v1(8870,8560)
  Bottom Layer w20: B24.1@4244.41,7280 B24.1@4520,7280 ; B24.1@4244.41,7476.85 4520,7476.85 B24.1@4520,7280 ; v1(5100,7690) 5100,7548 B7.4 5168,7280 B24.1@4520,7280 ; v1(5660,7690) 5660,7870 5694.72,7904.72 B15.4 5700,7975.28 5700,8100 B20.1 ; B6.4 v1(6120,7690) ; B18.4 7275,8446.26 7275,8175 7298,8152 B12.4 7298,7932 7360,7870 v1(7360,7690) ; v1(8230,7690) 8228,7692 B11.4 8228,8172 8137.8,8262.2 B17.4 8137.8,8467.8 v1(8230,8560) ; v1(8870,8560) v1(8870,9350) ; B1.4 v1(9000,7690)
Y5: B1.5 B7.5 B12.5 B15.5 B18.5 B25.1 B30.1 B_Laser_1.5 B_Probador_1.5 | length 13039.7
  Top Layer w20: v1(5170,7640) v1(5570,7640) v1(7455,7640) v1(8800,7640) ; B30.1@7452.76,9050 7372.76,9130 7127.24,9130 7047.24,9050 7047.24,8782.76 7050,8780 v1(8690,8780) ; B_Laser_1.5 v1(8690,9250) B_Probador_1.5
  Bottom Layer w20: v1(5170,7640) 5164,7640 B7.5 5424,7224 5350,7150 4150,7150 4100,7200 4100,7600 4140,7640 B25.1@4244.41,7640 ; v1(5570,7640) 5570,7880 5596.3,7906.3 B15.5 ; B18.5 v1(7357.48,8777.48) ; B12.5 7454,7639 v1(7455,7640) ; v1(8690,9250) v1(8690,8780) 8690,8300 8600,8210 8485,8210 8425,8150 8425,7825 8610,7640 v1(8800,7640) B1.5 ; B25.1@4244.41,7640 4244.41,7836.85 4520,7836.85 4520,7640 B25.1@4244.41,7640
Y6: B1.6 B7.6 B15.6 B18.6 B26.1 B30.2 B_Laser_1.6 B_Probador_1.6 | length 12914
  Top Layer w20: v1(5300,7590) v1(5500,7590) v1(8600,7590) ; B30.2 7250,8830 v1(8640,8830) ; v1(7540,8260) v1(8370,8260) ; B_Laser_1.6 v1(8640,9150) B_Probador_1.6
  Bottom Layer w20: B26.1@4510,8000 B26.1@4244.41,8000 ; B26.1@4520,8000 4520,8196.85 4244.41,8196.85 B26.1@4244.41,8000 ; v1(5300,7590) 5410,7480 5480,7480 B7.6 5580,7180 5500,7100 4100,7100 4050,7150 4050,7950 4100,8000 B26.1@4244.41,8000 ; B15.6 5497.87,7592.13 v1(5500,7590) ; B18.6 7357.48,8352.52 7450,8260 v1(7540,8260) ; B1.6 v1(8600,7590) 8510,7590 8370,7730 v1(8370,8260) 8570,8260 8640,8330 v1(8640,8830) v1(8640,9150)
Y7: B1.7 B15.7 B18.7 B27.1 B31.1 B_Laser_1.7 B_Probador_1.7 | length 12068.7
  Top Layer w20: v1(5710,7540) v1(7530,7540) v1(8400,7540) ; B31.1@7047.24,9500 7127.24,9580 7372.76,9580 7452.76,9500 7650,9302.76 v1(7650,9220) 8230,9220 8400,9050 B_Laser_1.7 B_Probador_1.7
  Bottom Layer w20: B15.7 5399.45,7600.55 5460,7540 v1(5710,7540) 5710,7150 5610,7050 4050,7050 4000,7100 4000,8300 4060,8360 B27.1@4244.41,8360 ; B18.7 7650,8528.74 ; v1(7530,7540) 7650,7660 7650,8528.74 ; v1(7650,9220) 7650,8528.74 ; B1.7 v1(8400,7540) ; B27.1@4244.41,8360 4244.41,8556.85 4520,8556.85 4520,8360 B27.1@4244.41,8360
Y8: B1.8 B2.1 B5.1 B18.8 B31.2 B_Laser_1.8 B_Probador_1.8 | length 6789.9
  Top Layer w20: v1(6650,8300) 7420,8300 v1(7570,8450) v1(7570,8670) ; B31.2 7250,9310 7290,9270 7460,9270 v1(7570,9160) 8210,9160 B_Laser_1.8@8420,8950 ; B_Laser_1.8 B_Probador_1.8
  Bottom Layer w20: v1(6650,8300) 6650,7470 6730,7390 B5.1 6730,7170 6750,7150 8100,7150 8200,7250 B1.8 ; B18.8 v1(7570,8450) ; v1(7570,8670) v1(7570,9160) ; 7880,7155 7880,7250 B2.1@7880,7450
Y9: B3.1 B5.2 B32.1 B50.1 B_Laser_2.1 B_Probador_2.1 | length 10926.4
  Top Layer w20: B32.1@6347.24,9050 6427.24,9130 6672.76,9130 6752.76,9050 6860,9157.24 6860,9660 6790,9730 5430,9730 B50.1 B_Laser_2.1 B_Probador_2.1 4250,9650 4000,9400 4000,7100 4050,7050 v1(6300,7050) 6900,7050 v1(6900,7250)
  Bottom Layer w20: v1(6300,7050) 6550,7050 6631.57,7131.57 B5.2 ; v1(6900,7250) 7530,7250 B3.1@7530,7450
Y10: B5.3 B32.2 B50.2 B_Laser_2.2 B_Probador_2.2 | length 8688.4
  Top Layer w20: v1(6400,7100) 4100,7100 4050,7150 4050,9000 4600,9550 B_Probador_2.2 B_Laser_2.2 B50.2 5420,9550 5530,9660 v1(6660,9660) ; B32.2 6617.01,8920 6820,8920 6920,9020 v1(6920,9660)
  Bottom Layer w20: v1(6400,7100) 6533.15,7233.15 B5.3 ; v1(6660,9660) v1(6920,9660)
Y11: B5.4 B33.1 B50.3 B_Laser_2.3 B_Probador_2.3 | length 7212.8
  Top Layer w20: v1(6300,7150) 4150,7150 4100,7200 4100,8950 4600,9450 B_Probador_2.3 B_Laser_2.3 B50.3 5430,9450 5600,9620 6227.24,9620 6347.24,9500 6427.24,9580 6672.76,9580 B33.1@6752.76,9500
  Bottom Layer w20: v1(6300,7150) 6300,7155.28 B5.4
Y12: B14.1 B33.2 B_Laser_2.4 B_Probador_2.4 | length 3353.3
  Top Layer w20: B_Probador_2.4 B_Laser_2.4 v1(6200,9350) 6462.99,9350 B33.2
  Bottom Layer w20: v1(6200,9350) 6200,8870 6290,8780 B14.1
Y13: B34.1 B_Laser_2.5 B_Probador_2.5 | length 1551.9
  Top Layer w20: B_Probador_2.5 B_Laser_2.5 5447.24,9250 5647.24,9050 5727.24,9130 5972.76,9130 B34.1@6052.76,9050
Y14: B13.1 B34.2 B_Laser_2.6 B_Probador_2.6 | length 2962.7
  Top Layer w20: B_Probador_2.6 B_Laser_2.6 5260,9150 5540,8870 5850,8870 ; B34.2 5850,8870 ; v1(6550,8750) 5970,8750 5850,8870
  Bottom Layer w20: B13.1 v1(6550,8750)
Y15: B35.1 B_Laser_2.7 B_Probador_2.7 | length 1914.5
  Top Layer w20: B_Probador_2.7 B_Laser_2.7 v1(5150,9050) ; v1(5150,9300) v1(5645,9300) ; B35.1@5647.24,9500 5727.24,9580 5972.76,9580 B35.1@6052.76,9500
  Bottom Layer w20: v1(5150,9050) v1(5150,9300) ; v1(5645,9300) B35.1@5645,9497.76
Y16: A22.1 B35.2 B_Laser_2.8 B_Probador_2.8 | length 6563.4
  Top Layer w20: B_Probador_2.8 v1(4800,8950) B_Laser_2.8 v1(5210,8950) ; v1(4720,8250) v1(6130,8250) ; v1(5210,9390) 5710,9390 5757.01,9437.01 B35.2
  Bottom Layer w20: v1(4720,8250) 4720,8770 4800,8850 v1(4800,8950) ; v1(5210,8950) v1(5210,9390) ; A22.1 5750,6110 5710,6150 5710,7050 5870,7210 6170,7210 6220,7260 6220,7880 6130,7970 v1(6130,8250)
pads on no net: A14. A23.1 B17.

## Keep-outs
Keep-Out Layer:
  the board outline again, w25

## Silkscreen, mask and mechanical layers (free items; w line width, h text height)
Top Overlay:
  circle w10: c9500,9350 r110
  circle w10: c9500,4700 r110
  circle w10: c4200,4700 r110
  circle w10: c4200,9350 r110
  lines w25: 3800,5400 9900,5400 ; 3800,7000 9910,7000 ; 3800,8800 9900,8800
  text "8" at 8190,7110 h50
  text "1" at 9590,7110 h50
  text "PROBADOR DE MAZOS" at 4700,5625 h60
  text "BODY HEALTH S.A." at 6525,5625 h100
  text "IMP000064A" at 4700,5500 h60
Bottom Overlay:
  text "-" at 4820,5240 h50 r90
  text "+" at 4780,5130 h50

## Text inside footprints (layer, text, board x,y; h text height)
Ld1: Bottom Overlay "-" at 4675,4830 h60 r270; Bottom Overlay "+" at 4725,4920 h60